# KiCad board DoubleProto.kicad_pcb
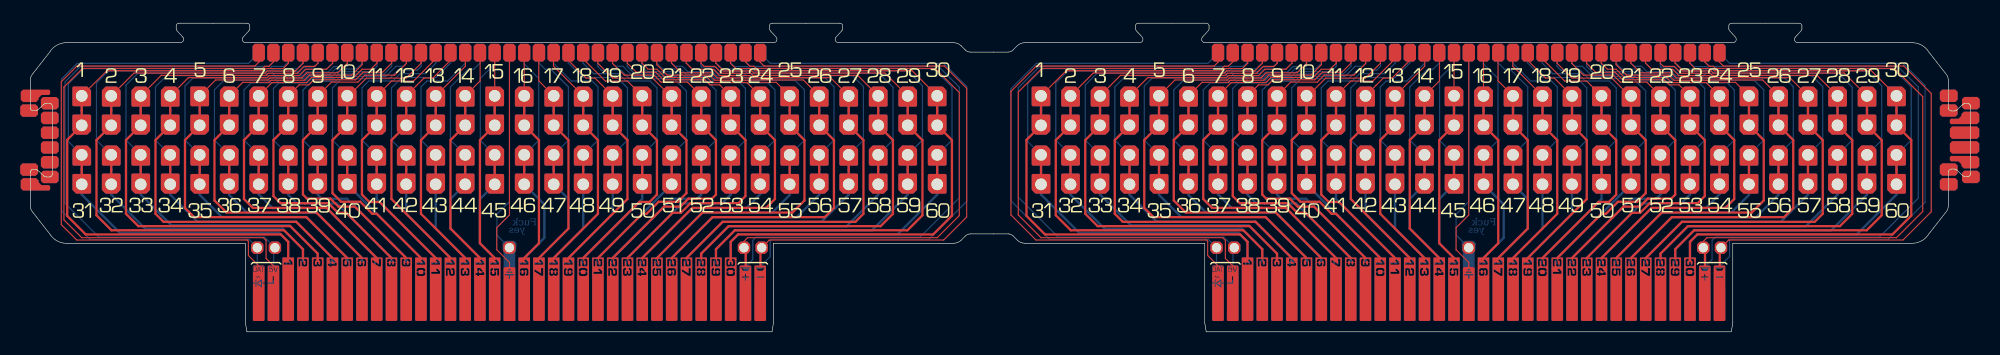
[diagram p0: board, top side]
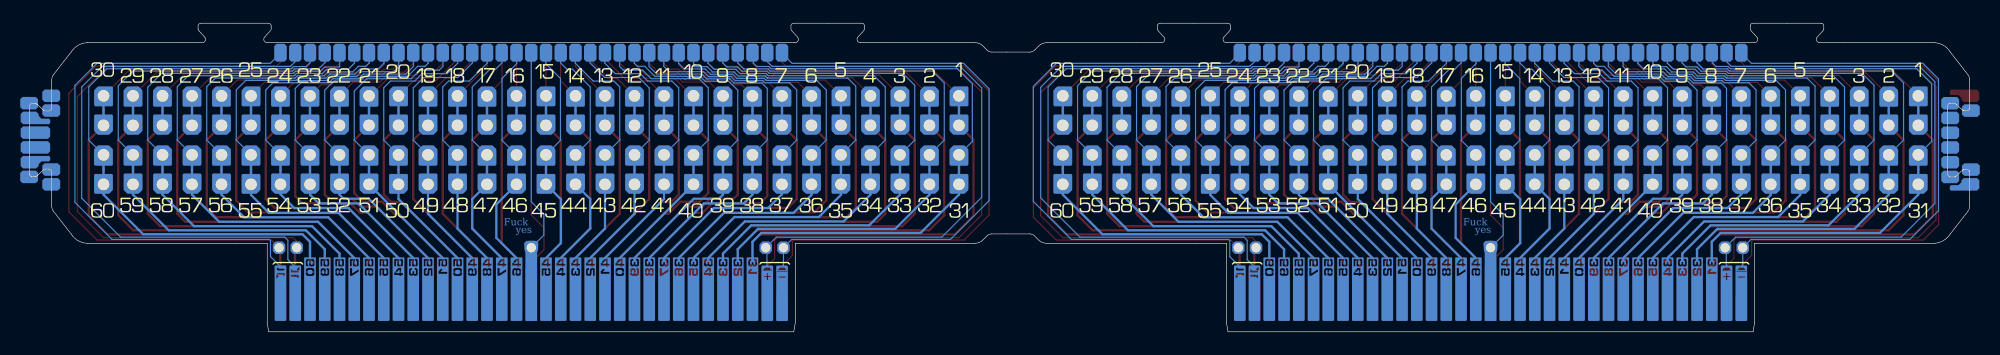
[diagram p1: board, bottom side, seen from below]

Outline 167.05 x 26.57 mm; copper layers: Top, Bottom. Coordinates in mm from the lower left corner of the outline.
Outline path: 0,21.59 0,21.74 arc(0.06,21.96) 0.17,22.16 1.68,24.09 arc(2.26,24.66) 3.05,24.89 10.78,24.89 ; 0,11.43 0,10.78 arc(0.05,10.55) 0.17,10.35 1.68,8.42 ; 1.68,8.42 arc(2.26,7.85) 3.05,7.62 15.86,7.62 ; 66.66,7.62 79.48,7.62 ; 71.74,24.89 79.48,24.89 arc(79.84,24.82) 80.15,24.62 80.51,24.26 arc(80.7,24.13) 80.93,24.08 84.2,24.08 arc(84.42,24.13) 84.62,24.26 84.97,24.62 arc(85.28,24.82) 85.65,24.89 ; 79.48,7.62 arc(79.85,7.69) 80.16,7.89 80.52,8.25 arc(80.71,8.38) 80.94,8.43 84.2,8.43 arc(84.43,8.38) 84.62,8.25 84.98,7.89 arc(85.29,7.69) 85.66,7.62 ; 93.38,24.89 85.65,24.89 ; 98.46,7.62 85.65,7.62 ; 149.26,7.62 162.1,7.62 arc(162.89,7.85) 163.47,8.42 164.98,10.35 arc(165.09,10.55) 165.15,10.78 165.15,11.43 ; 154.34,24.89 162.1,24.89 arc(162.89,24.66) 163.47,24.09 164.98,22.16 arc(165.1,21.94) 165.15,21.68 165.15,21.59

## Placement (name value [footprint] x y rotation side)
J1  Conn_01x01  [PinHeader_1x1_Smallest]  144.05 7.24 0 top
J1#2  Conn_02x35_Top_Bottom  [HEE70LP03BK_NumberedPads_CardGuide]  41.26 -10.67 0 top
J1#3  Conn_02x35_Top_Bottom  [HEE70LP03BK_NumberedPads_CardGuide]  123.86 -10.67 0 top
J1#4  Conn_01x01  [PinHeader_1x1_Smallest]  61.45 7.24 0 top
J2  Conn_01x01  [PinHeader_1x1_Smallest]  62.97 7.24 0 top
J2#2  Conn_01x01  [PinHeader_1x1_Smallest]  145.58 7.24 0 top
J3  Conn_01x01  [PinHeader_1x1_Smallest]  21.06 7.24 0 top
J3#2  Conn_01x01  [PinHeader_1x1_Smallest]  103.67 7.24 0 top
J4  Conn_01x01  [PinHeader_1x1_Smallest]  102.14 7.24 0 top
J4#2  Conn_01x01  [PinHeader_1x1_Smallest]  19.54 7.24 0 top
J5  Conn_01x01  [PinHeader_1x1_Smallest]  41.26 7.24 0 top
J5#2  Conn_01x01  [PinHeader_1x1_Smallest]  123.86 7.24 0 top
J6  Conn_02x35_Top_Bottom  [SideConnect_sparserrr_Bottom_drawing]  76.69 -66.67 0 top
J6#2  Conn_02x35_Top_Bottom  [SideConnect_sparserrr_Bottom_drawing]  159.29 -66.67 0 top
J12  Conn_02x03_Top_Bottom  [SideConnect_short_right_Drawing]  82.53 -8.99 0 top
J12#2  Conn_02x03_Top_Bottom  [SideConnect_short_right_Drawing]  165.13 -8.99 0 top
J13  Conn_02x03_Top_Bottom  [SideConnect_short_left_Drawing]  -0.02 -8.89 0 top
J13#2  Conn_02x03_Top_Bottom  [SideConnect_short_left_Drawing]  82.58 -8.89 0 top
REF**  -  [SideConnect_sparserrr_right_1_Drawing]  82.57 -54.22 0 top
REF**#2  -  [SideConnect_sparserrr_left_1_Drawing]  165.12 -54.22 0 top
REF**#3  -  [SideConnect_sparserrr_left_1_Drawing]  82.52 -54.22 0 top
REF**#4  -  [SideConnect_Single_right]  165.15 11.43 0 top
REF**#5  -  [SideConnect_Single_left]  0 11.43 0 top
REF**#6  -  [SideConnect_sparserrr_right_1_Drawing]  -0.03 -54.22 0 top
U1  ~  [HEE70LP03BK_CardSide]  149.26 0 0 top
U1#2  ~  [HEE70LP03BK_CardSide]  66.66 0 0 top
U2  ~  [Conn_2x30_breadboard_double]  41.26 16.51 0 top
U2#2  ~  [Conn_2x30_breadboard_double]  123.86 16.51 0 top
U3  ~  [SideConnect_sparserrr_Top]  71.74 24.89 0 top
U3#2  ~  [SideConnect_sparserrr_Top]  154.34 24.89 0 top

## Library data of the parts
J1 J1#4 J2 J2#2 J3 J3#2 J4 J4#2 J5 J5#2 = -: Description: Generic connector, single row, 01x01, script generated (kicad-library-utils/schlib/autogen/connector/)

## Footprints (pads in the part's own frame, mm; a bottom-side part is the same pattern mirrored in y, then rotated)
Conn_2x30_breadboard_double
  custom 1.617x2.181 hole 1: 1(-36.83,3.805) 1(-36.83,1.265) 2(-34.29,3.805) 2(-34.29,1.265) 3(-31.75,3.805) 3(-31.75,1.265) 4(-29.21,3.805) 4(-29.21,1.265) 5(-26.67,3.805) 5(-26.67,1.265) 6(-24.13,3.805) 6(-24.13,1.265) 7(-21.59,3.805) 7(-21.59,1.265) 8(-19.05,3.805) 8(-19.05,1.265) 9(-16.51,3.805) 9(-16.51,1.265) 10(-13.97,3.805) 10(-13.97,1.265) 11(-11.43,3.805) 11(-11.43,1.265) 12(-8.89,3.805) 12(-8.89,1.265) 13(-6.35,3.805) 13(-6.35,1.265) 14(-3.81,3.805) 14(-3.81,1.265) 15(-1.27,3.805) 15(-1.27,1.265) 16(1.27,3.805) 16(1.27,1.265) 17(3.81,3.805) 17(3.81,1.265) 18(6.35,3.805) 18(6.35,1.265) 19(8.89,3.805) 19(8.89,1.265) 20(11.43,3.805) 20(11.43,1.265) 21(13.97,3.805) 21(13.97,1.265) 22(16.51,3.805) 22(16.51,1.265) 23(19.05,3.805) 23(19.05,1.265) 24(21.59,3.805) 24(21.59,1.265) 25(24.13,3.805) 25(24.13,1.265) 26(26.67,3.805) 26(26.67,1.265) 27(29.21,3.805) 27(29.21,1.265) 28(31.75,3.805) 28(31.75,1.265) 29(34.29,3.805) 29(34.29,1.265) 30(36.83,3.805) 30(36.83,1.265) 31(-36.83,-1.275) 31(-36.83,-3.815) 32(-34.29,-1.275) 32(-34.29,-3.815) 33(-31.75,-1.275) 33(-31.75,-3.815) 34(-29.21,-1.275) 34(-29.21,-3.815) 35(-26.67,-1.275) 35(-26.67,-3.815) 36(-24.13,-1.275) 36(-24.13,-3.815) 37(-21.59,-1.275) 37(-21.59,-3.815) 38(-19.05,-1.275) 38(-19.05,-3.815) 39(-16.51,-1.275) 39(-16.51,-3.815) 40(-13.97,-1.275) 40(-13.97,-3.815) 41(-11.43,-1.275) 41(-11.43,-3.815) 42(-8.89,-1.275) 42(-8.89,-3.815) 43(-6.35,-1.275) 43(-6.35,-3.815) 44(-3.81,-1.275) 44(-3.81,-3.815) 45(-1.27,-1.275) 45(-1.27,-3.815) 46(1.27,-1.275) 46(1.27,-3.815) 47(3.81,-1.275) 47(3.81,-3.815) 48(6.35,-1.275) 48(6.35,-3.815) 49(8.89,-1.275) 49(8.89,-3.815) 50(11.43,-1.275) 50(11.43,-3.815) 51(13.97,-1.275) 51(13.97,-3.815) 52(16.51,-1.275) 52(16.51,-3.815) 53(19.05,-1.275) 53(19.05,-3.815) 54(21.59,-1.275) 54(21.59,-3.815) 55(24.13,-1.275) 55(24.13,-3.815) 56(26.67,-1.275) 56(26.67,-3.815) 57(29.21,-1.275) 57(29.21,-3.815) 58(31.75,-1.275) 58(31.75,-3.815) 59(34.29,-1.275) 59(34.29,-3.815) 60(36.83,-1.275) 60(36.83,-3.815)
HEE70LP03BK_CardSide
  custom 1x5.467 smd: 1(-44.45,6.35) 2(-43.18,6.35) 3(-41.91,6.35) 4(-40.64,6.35) 5(-39.37,6.35) 6(-38.1,6.35) 7(-36.83,6.35) 8(-35.56,6.35) 9(-34.29,6.35) 10(-33.02,6.35) 11(-31.75,6.35) 12(-30.48,6.35) 13(-29.21,6.35) 14(-27.94,6.35) 15(-26.67,6.35) 16(-24.13,6.35) 17(-22.86,6.35) 18(-21.59,6.35) 19(-20.32,6.35) 20(-19.05,6.35) 21(-17.78,6.35) 22(-16.51,6.35) 23(-15.24,6.35) 24(-13.97,6.35) 25(-12.7,6.35) 26(-11.43,6.35) 27(-10.16,6.35) 28(-8.89,6.35) 29(-7.62,6.35) 30(-6.35,6.35)
  custom 1x5.467 smd far side: 31(-44.45,6.35) 32(-43.18,6.35) 33(-41.91,6.35) 34(-40.64,6.35) 35(-39.37,6.35) 36(-38.1,6.35) 37(-36.83,6.35) 38(-35.56,6.35) 39(-34.29,6.35) 40(-33.02,6.35) 41(-31.75,6.35) 42(-30.48,6.35) 43(-29.21,6.35) 44(-27.94,6.35) 45(-26.67,6.35) 46(-24.13,6.35) 47(-22.86,6.35) 48(-21.59,6.35) 49(-20.32,6.35) 50(-19.05,6.35) 51(-17.78,6.35) 52(-16.51,6.35) 53(-15.24,6.35) 54(-13.97,6.35) 55(-12.7,6.35) 56(-11.43,6.35) 57(-10.16,6.35) 58(-8.89,6.35) 59(-7.62,6.35) 60(-6.35,6.35)
  custom 1.01x4.779 smd: 61(-5.06,5.657) 62(-3.79,5.657)
  custom 1.01x4.779 smd far side: 63(-45.745,5.656) 64(-47.015,5.606)
  custom 1.218x6.921 smd far side: 65(-25.4,7.696)
  custom 1x4.774 smd far side: 66(-5.055,5.607) 67(-3.795,5.627)
  custom 1.014x4.657 smd: 68(-25.4,5.461)
  custom 1.001x4.774 smd: 69(-46.97,5.657)
  custom 1.01x4.78 smd: 70(-45.7,5.657)
PinHeader_1x1_Smallest
  custom 1.07x1.07 hole 0.8: 1(0,0)
SideConnect_Single_left
  custom 1.534x1.071 smd: 6(-0.127,7.62) 6(-0.127,2.54) 6(1.702,8.255) 6(1.702,6.985) 6(1.702,5.715) 6(1.702,4.445) 6(1.702,3.175) 6(1.702,1.905)
  custom 1.534x1.071 smd far side: 6(-0.127,7.62) 6(-0.127,2.54) 6(1.702,8.255) 6(1.702,6.985) 6(1.702,5.715) 6(1.702,4.445) 6(1.702,3.175) 6(1.702,1.905)
  custom 2.539x1.071 smd: 6(-0.035,8.89) 6(-0.035,1.27)
  custom 2.539x1.071 smd far side: 6(-0.035,1.27)
SideConnect_Single_right
  custom 1.534x1.071 smd: 6(0.066,8.89) 6(0.066,7.62) 6(0.066,2.54) 6(0.066,1.27) 6(1.971,8.255) 6(1.971,1.905)
  custom 1.534x1.071 smd far side: 6(0.066,8.89) 6(0.066,7.62) 6(0.066,2.54) 6(0.066,1.27) 6(1.971,8.255) 6(1.971,1.905)
  custom 2.539x1.071 smd: 6(1.879,6.985) 6(1.879,3.175)
  custom 2.539x1.071 smd far side: 6(1.879,6.985) 6(1.879,3.175)
  custom 2.534x1.071 smd: 6(1.879,5.715) 6(1.879,4.445)
  custom 2.534x1.071 smd far side: 6(1.879,5.715) 6(1.879,4.445)
SideConnect_sparserrr_Top
  custom 1.071x1.534 smd: 1(-49.53,-0.889) 2(-48.26,-0.889) 3(-46.99,-0.889) 4(-45.72,-0.889) 5(-44.45,-0.889) 6(-43.18,-0.889) 7(-41.91,-0.889) 8(-40.64,-0.889) 9(-39.37,-0.889) 10(-38.1,-0.889) 11(-36.83,-0.889) 12(-35.56,-0.889) 13(-34.29,-0.889) 14(-33.02,-0.889) 15(-31.75,-0.889) 16(-29.21,-0.889) 17(-27.94,-0.889) 18(-26.67,-0.889) 19(-25.4,-0.889) 20(-24.13,-0.889) 21(-22.86,-0.889) 22(-21.59,-0.889) 23(-20.32,-0.889) 24(-19.05,-0.889) 25(-17.78,-0.889) 26(-16.51,-0.889) 27(-15.24,-0.889) 28(-13.97,-0.889) 29(-12.7,-0.889) 30(-11.43,-0.889) 61(-10.16,-0.889) 62(-8.89,-0.889) 68(-30.48,-0.889) 69(-52.07,-0.889) 70(-50.8,-0.889)
  custom 1.071x1.534 smd far side: 31(-49.53,-0.889) 32(-48.26,-0.889) 33(-46.99,-0.889) 34(-45.72,-0.889) 35(-44.45,-0.889) 36(-43.18,-0.889) 37(-41.91,-0.889) 38(-40.64,-0.889) 39(-39.37,-0.889) 40(-38.1,-0.889) 41(-36.83,-0.889) 42(-35.56,-0.889) 43(-34.29,-0.889) 44(-33.02,-0.889) 45(-31.75,-0.889) 46(-29.21,-0.889) 47(-27.94,-0.889) 48(-26.67,-0.889) 49(-25.4,-0.889) 50(-24.13,-0.889) 51(-22.86,-0.889) 52(-21.59,-0.889) 53(-20.32,-0.889) 54(-19.05,-0.889) 55(-17.78,-0.889) 56(-16.51,-0.889) 57(-15.24,-0.889) 58(-13.97,-0.889) 59(-12.7,-0.889) 60(-11.43,-0.889) 63(-50.8,-0.889) 64(-52.07,-0.889) 65(-30.48,-0.889) 66(-10.16,-0.889) 67(-8.89,-0.889)

## Nets
Net-(J1-Pin_1): J1.1 J1#4.1 U1.61 U1#2.61 U3.61 U3#2.61
Net-(J2-Pin_1): J2.1 J2#2.1 U1.62 U1#2.62 U3.62 U3#2.62
Net-(J3-Pin_1): J3.1 J3#2.1 U1.63 U1#2.63 U3.63 U3#2.63
Net-(J4-Pin_1): J4.1 J4#2.1 U1.64 U1#2.64 U3.64 U3#2.64
Net-(J5-Pin_1): J5.1 J5#2.1 U1.65 U1#2.65 U3.65 U3#2.65
Net-(J6-Pin_1): U1.66 U1#2.66 U3.66 U3#2.66
Net-(J7-Pin_1): U1.67 U1#2.67 U3.67 U3#2.67
Net-(J8-Pin_1): U1.68 U1#2.68 U3.68 U3#2.68
Net-(J9-Pin_1): U1.69 U1#2.69 U3.69 U3#2.69
Net-(J10-Pin_1): U1.70 U1#2.70 U3.70 U3#2.70
Net-(U1A-Pin_0): U1.32 U1#2.32 U2.32 U2#2.32 U3.32 U3#2.32
Net-(U1A-Pin_1-Pad1): U1.1 U1#2.1 U2.1 U2#2.1 U3.1 U3#2.1
Net-(U1A-Pin_1-Pad33): U1.33 U1#2.33 U2.33 U2#2.33 U3.33 U3#2.33
Net-(U1A-Pin_2-Pad2): U1.2 U1#2.2 U2.2 U2#2.2 U3.2 U3#2.2
Net-(U1A-Pin_2-Pad34): U1.34 U1#2.34 U2.34 U2#2.34 U3.34 U3#2.34
Net-(U1A-Pin_3-Pad3): U1.3 U1#2.3 U2.3 U2#2.3 U3.3 U3#2.3
Net-(U1A-Pin_3-Pad35): U1.35 U1#2.35 U2.35 U2#2.35 U3.35 U3#2.35
Net-(U1A-Pin_4-Pad4): U1.4 U1#2.4 U2.4 U2#2.4 U3.4 U3#2.4
Net-(U1A-Pin_4-Pad36): U1.36 U1#2.36 U2.36 U2#2.36 U3.36 U3#2.36
Net-(U1A-Pin_5-Pad5): U1.5 U1#2.5 U2.5 U2#2.5 U3.5 U3#2.5
Net-(U1A-Pin_5-Pad37): U1.37 U1#2.37 U2.37 U2#2.37 U3.37 U3#2.37
Net-(U1A-Pin_6-Pad6): U1.6 U1#2.6 U2.6 U2#2.6 U3.6 U3#2.6
Net-(U1A-Pin_6-Pad38): U1.38 U1#2.38 U2.38 U2#2.38 U3.38 U3#2.38
Net-(U1A-Pin_7-Pad7): U1.7 U1#2.7 U2.7 U2#2.7 U3.7 U3#2.7
Net-(U1A-Pin_7-Pad39): U1.39 U1#2.39 U2.39 U2#2.39 U3.39 U3#2.39
Net-(U1A-Pin_8-Pad8): U1.8 U1#2.8 U2.8 U2#2.8 U3.8 U3#2.8
Net-(U1A-Pin_8-Pad40): U1.40 U1#2.40 U2.40 U2#2.40 U3.40 U3#2.40
Net-(U1A-Pin_9-Pad9): U1.9 U1#2.9 U2.9 U2#2.9 U3.9 U3#2.9
Net-(U1A-Pin_9-Pad41): U1.41 U1#2.41 U2.41 U2#2.41 U3.41 U3#2.41
Net-(U1A-Pin_10-Pad10): U1.10 U1#2.10 U2.10 U2#2.10 U3.10 U3#2.10
Net-(U1A-Pin_10-Pad42): U1.42 U1#2.42 U2.42 U2#2.42 U3.42 U3#2.42
Net-(U1A-Pin_11-Pad11): U1.11 U1#2.11 U2.11 U2#2.11 U3.11 U3#2.11
Net-(U1A-Pin_11-Pad43): U1.43 U1#2.43 U2.43 U2#2.43 U3.43 U3#2.43
Net-(U1A-Pin_12-Pad12): U1.12 U1#2.12 U2.12 U2#2.12 U3.12 U3#2.12
Net-(U1A-Pin_12-Pad44): U1.44 U1#2.44 U2.44 U2#2.44 U3.44 U3#2.44
Net-(U1A-Pin_13-Pad13): U1.13 U1#2.13 U2.13 U2#2.13 U3.13 U3#2.13
Net-(U1A-Pin_13-Pad45): U1.45 U1#2.45 U2.45 U2#2.45 U3.45 U3#2.45
Net-(U1A-Pin_14-Pad14): U1.14 U1#2.14 U2.14 U2#2.14 U3.14 U3#2.14
Net-(U1A-Pin_14-Pad46): U1.46 U1#2.46 U2.46 U2#2.46 U3.46 U3#2.46
Net-(U1A-Pin_15-Pad15): U1.15 U1#2.15 U2.15 U2#2.15 U3.15 U3#2.15
Net-(U1A-Pin_15-Pad47): U1.47 U1#2.47 U2.47 U2#2.47 U3.47 U3#2.47
Net-(U1A-Pin_16-Pad16): U1.16 U1#2.16 U2.16 U2#2.16 U3.16 U3#2.16
Net-(U1A-Pin_16-Pad48): U1.48 U1#2.48 U2.48 U2#2.48 U3.48 U3#2.48
Net-(U1A-Pin_17-Pad17): U1.17 U1#2.17 U2.17 U2#2.17 U3.17 U3#2.17
Net-(U1A-Pin_17-Pad49): U1.49 U1#2.49 U2.49 U2#2.49 U3.49 U3#2.49
Net-(U1A-Pin_18-Pad18): U1.18 U1#2.18 U2.18 U2#2.18 U3.18 U3#2.18
Net-(U1A-Pin_18-Pad50): U1.50 U1#2.50 U2.50 U2#2.50 U3.50 U3#2.50
Net-(U1A-Pin_19-Pad19): U1.19 U1#2.19 U2.19 U2#2.19 U3.19 U3#2.19
Net-(U1A-Pin_19-Pad51): U1.51 U1#2.51 U2.51 U2#2.51 U3.51 U3#2.51
Net-(U1A-Pin_20-Pad20): U1.20 U1#2.20 U2.20 U2#2.20 U3.20 U3#2.20
Net-(U1A-Pin_20-Pad52): U1.52 U1#2.52 U2.52 U2#2.52 U3.52 U3#2.52
Net-(U1A-Pin_21-Pad21): U1.21 U1#2.21 U2.21 U2#2.21 U3.21 U3#2.21
Net-(U1A-Pin_21-Pad53): U1.53 U1#2.53 U2.53 U2#2.53 U3.53 U3#2.53
Net-(U1A-Pin_22-Pad22): U1.22 U1#2.22 U2.22 U2#2.22 U3.22 U3#2.22
Net-(U1A-Pin_22-Pad54): U1.54 U1#2.54 U2.54 U2#2.54 U3.54 U3#2.54
Net-(U1A-Pin_23-Pad23): U1.23 U1#2.23 U2.23 U2#2.23 U3.23 U3#2.23
Net-(U1A-Pin_23-Pad55): U1.55 U1#2.55 U2.55 U2#2.55 U3.55 U3#2.55
Net-(U1A-Pin_24-Pad24): U1.24 U1#2.24 U2.24 U2#2.24 U3.24 U3#2.24
Net-(U1A-Pin_24-Pad56): U1.56 U1#2.56 U2.56 U2#2.56 U3.56 U3#2.56
Net-(U1A-Pin_25-Pad25): U1.25 U1#2.25 U2.25 U2#2.25 U3.25 U3#2.25
Net-(U1A-Pin_25-Pad57): U1.57 U1#2.57 U2.57 U2#2.57 U3.57 U3#2.57
Net-(U1A-Pin_26-Pad26): U1.26 U1#2.26 U2.26 U2#2.26 U3.26 U3#2.26
Net-(U1A-Pin_26-Pad58): U1.58 U1#2.58 U2.58 U2#2.58 U3.58 U3#2.58
Net-(U1A-Pin_27-Pad27): U1.27 U1#2.27 U2.27 U2#2.27 U3.27 U3#2.27
Net-(U1A-Pin_27-Pad59): U1.59 U1#2.59 U2.59 U2#2.59 U3.59 U3#2.59
Net-(U1A-Pin_28-Pad28): U1.28 U1#2.28 U2.28 U2#2.28 U3.28 U3#2.28
Net-(U1A-Pin_28-Pad60): U1.60 U1#2.60 U2.60 U2#2.60 U3.60 U3#2.60
Net-(U1A-Pin_29): U1.29 U1#2.29 U2.29 U2#2.29 U3.29 U3#2.29
Net-(U1A-Pin_30): U1.30 U1#2.30 U2.30 U2#2.30 U3.30 U3#2.30
Net-(U1A-Pin_31): U1.31 U1#2.31 U2.31 U2#2.31 U3.31 U3#2.31

Pads without a net: REF**#4 6; REF**#5 6

## Routing (per net, layer and track width the routed paths; a pad name or vN(x,y) marks a point on that pad's centre or on a via; arc(x,y) is an arc through that point)
Net-(J1-Pin_1): length 105.3
  Top w0.1: 61.58,23.99 61.58,23.24 61.96,22.86 62.31,22.86 62.49,22.68 77.91,22.68 79.99,20.6 79.99,10.01 78.08,8.1 61.77,8.1 61.45,7.78 J1#4.1 ; 144.18,23.99 144.18,23.24 144.56,22.86 144.91,22.86 145.09,22.68 160.51,22.68 162.95,20.24 162.95,10.36 160.68,8.1 144.37,8.1 144.05,7.78 J1.1
  Top w0.2: U1.61 144.2,7.09 J1.1 ; J1#4.1 61.6,7.09 U1#2.61
Net-(J2-Pin_1): length 102.3
  Top w0.1: J2#2.1 146.24,7.9 161.24,7.9 163.68,10.33 163.68,20.52 161.31,22.89 145.78,22.89 145.43,23.23 145.43,24 ; 62.83,24 62.83,23.23 63.18,22.89 78.71,22.89 80.63,20.97 80.63,9.88 78.64,7.9 63.63,7.9 J2.1
  Top w0.2: J2.1 62.87,7.13 U1#2.62 ; U1.62 145.47,7.13 J2#2.1
Net-(J3-Pin_1): length 103.2
  Top w0.2: 103.52,7.09 J3#2.1 ; 20.92,7.09 J3.1
  Bottom w0.1: U1#2.63 20.96,5.71 20.96,7.14 J3.1 20.15,8.15 5.9,8.15 3,11.06 3,21.53 4.32,22.85 20.52,22.85 20.95,23.29 20.95,23.97 20.92,24 ; U1.63 103.56,5.71 103.56,7.14 J3#2.1 102.75,8.15 88.5,8.15 85.07,11.58 85.07,21.01 86.92,22.85 103.12,22.85 103.56,23.29 103.56,23.97 103.52,24
Net-(J4-Pin_1): length 99.2
  Top w0.2: 102.25,7.13 J4.1 ; 19.65,7.13 J4#2.1
  Bottom w0.1: U1#2.64 19.54,5.71 J4#2.1 18.83,7.95 5.16,7.95 2.69,10.42 2.69,21.78 4.03,23.11 18.8,23.11 19.68,24 ; 102.29,24 101.4,23.11 86.63,23.11 84.44,20.92 84.44,11.28 87.76,7.95 101.43,7.95 J4.1 102.14,5.71 U1.64
Net-(J5-Pin_1): length 35.3
  Bottom w0.1: 41.24,24 41.26,23.99 41.26,11.2 40.17,10.12 40.17,8.32 J5.1 ; J5#2.1 122.77,8.32 122.77,10.12 123.86,11.2 123.86,23.99 123.84,24
Net-(J6-Pin_1): length 102.8
  Bottom w0.1: 61.56,24 61.56,23.29 61.99,22.85 78.2,22.85 79.99,21.06 79.99,11.53 76.61,8.15 62.49,8.15 62.21,7.87 62.21,6.22 U1#2.66 ; 144.16,24 144.16,23.29 144.59,22.85 160.8,22.85 162.57,21.08 162.57,11.51 159.21,8.15 145.09,8.15 144.81,7.87 144.81,6.22 U1.66
Net-(J7-Pin_1): length 99.5
  Bottom w0.1: U1.67 146.31,6.48 146.31,7.85 146.41,7.95 159.95,7.95 163.15,11.15 163.15,21.21 161.25,23.11 146.32,23.11 145.43,24 ; U1#2.67 63.71,6.48 63.71,7.85 63.81,7.95 77.35,7.95 80.63,11.23 80.63,21.13 78.65,23.11 63.72,23.11 62.83,24
Net-(J8-Pin_1): length 38.9
  Top w0.1: U1.68 123.86,5.97 122.77,7.06 122.77,8.96 123.86,10.05 123.86,23.99 123.84,24 ; 41.24,24 41.26,23.99 41.26,10.05 40.17,8.96 40.17,7.06 41.26,5.97 U1#2.68
Net-(J9-Pin_1): length 100.7
  Top w0.1: 19.68,24 19.68,23.23 19.34,22.89 4.02,22.89 2.67,21.53 2.67,9.23 4,7.9 18.68,7.9 18.78,7.8 18.78,6.57 U1#2.69 ; 102.29,24 102.29,23.23 101.94,22.89 86.62,22.89 84.44,20.7 84.44,10.06 86.6,7.9 101.28,7.9 101.38,7.8 101.38,6.57 U1.69
Net-(J10-Pin_1): length 103.8
  Top w0.1: 20.94,23.99 20.94,23.24 20.56,22.86 20.2,22.86 20.02,22.68 4.5,22.68 2.9,21.07 2.9,9.63 4.43,8.1 20.08,8.1 20.3,7.87 20.3,6.31 U1#2.70 ; 103.54,23.99 103.54,23.24 103.16,22.86 102.8,22.86 102.62,22.68 87.1,22.68 85.07,20.65 85.07,10.06 87.03,8.1 102.68,8.1 102.9,7.87 102.9,6.31 U1.70
Net-(U1A-Pin_0): length 92.4
  Bottom w0.1: U2#2.32 88.3,16.5 88.3,21.44 89.31,22.45 94.7,22.45 94.89,22.45 103.28,22.45 103.47,22.63 105.55,22.63 106.1,23.18 106.1,24 ; U2.32 5.7,16.51 5.7,21.44 6.71,22.45 12.1,22.45 12.28,22.45 20.68,22.45 20.87,22.63 22.95,22.63 23.49,23.18 23.49,24
  Bottom w0.2: U1#2.32 23.48,7.11 21.73,8.86 9.92,8.86 6.97,11.81 6.97,12.71 ; 89.57,12.7 89.57,11.81 92.52,8.86 104.33,8.86 106.08,7.11 U1.32
Net-(U1A-Pin_1-Pad1): length 99
  Top w0.1: 104.83,24 104.83,23.12 104.37,22.66 102.89,22.66 102.71,22.48 89.2,22.48 U2#2.1 ; 22.22,24 22.22,23.12 21.76,22.66 20.29,22.66 20.11,22.48 6.59,22.48 4.43,20.32
  Top w0.2: U1.1 104.81,7.75 104.17,8.38 87.38,8.38 85.78,9.98 85.78,16.52 U2#2.1 ; U1#2.1 22.21,7.75 21.57,8.38 4.77,8.38 3.18,9.98 3.18,16.52 4.43,17.78
Net-(U1A-Pin_1-Pad33): length 86.6
  Bottom w0.1: 24.76,24 24.76,23.16 24.41,22.8 23.47,22.8 23.1,22.43 20.95,22.43 20.76,22.25 12.37,22.25 9.25,22.25 8.24,21.23 8.24,16.51 U2.33 ; U2#2.33 90.84,16.5 90.84,21.23 91.85,22.25 103.37,22.25 103.55,22.43 105.7,22.43 106.07,22.8 107.01,22.8 107.37,23.16 107.37,24
  Bottom w0.2: U1#2.33 24.75,6.73 22.31,9.17 12.15,9.17 9.51,11.81 9.51,12.7 ; U1.33 107.35,6.73 104.91,9.17 94.75,9.17 92.11,11.81 92.11,12.7
Net-(U1A-Pin_2-Pad2): length 93.1
  Top w0.1: 106.1,24 106.1,23.13 105.82,22.86 ; 23.49,24 23.49,23.13 23.22,22.86 ; U2#2.2 91.54,22.28 102.82,22.28 103,22.46 104.45,22.46 104.45,22.46 105.43,22.46 105.81,22.85 ; 23.21,22.85 22.83,22.46 21.85,22.46 21.85,22.46 20.4,22.46 20.22,22.28 8.93,22.28 6.97,20.32
  Top w0.2: 89.57,17.77 88.3,16.5 88.3,10.03 89.59,8.74 104.45,8.74 106.08,7.11 U1.2 ; 6.97,17.77 5.7,16.5 5.7,10.03 6.99,8.74 21.85,8.74 23.48,7.11 U1#2.2
Net-(U1A-Pin_2-Pad34): length 80.9
  Bottom w0.1: 108.64,24 108.64,23.13 108.11,22.6 106.23,22.6 105.86,22.23 103.64,22.23 103.45,22.05 94.34,22.05 93.38,21.08 93.38,16.5 U2#2.34 ; 26.03,24 26.03,23.13 25.51,22.6 23.63,22.6 23.26,22.23 21.03,22.23 20.85,22.05 11.74,22.05 10.78,21.08 10.78,16.51 U2.34
  Bottom w0.2: U1.34 105.47,9.5 96.96,9.5 94.65,11.81 94.65,12.7 ; 12.05,12.7 12.05,11.81 14.36,9.5 22.87,9.5 U1#2.34
Net-(U1A-Pin_3-Pad3): length 87.5
  Top w0.1: 107.37,24 107.37,23.12 107.09,22.85 106.18,22.85 105.59,22.26 104.53,22.26 104.53,22.26 103.08,22.26 102.9,22.08 93.88,22.08 U2#2.3 ; 24.76,24 24.76,23.12 24.49,22.85 23.58,22.85 22.99,22.26 21.93,22.26 21.93,22.26 20.48,22.26 20.3,22.08 11.27,22.08 9.51,20.32
  Top w0.2: 9.51,17.78 8.24,16.51 8.24,10.16 9.3,9.09 22.39,9.09 24.75,6.73 U1#2.3 ; U2#2.3 90.84,16.5 90.84,10.16 91.9,9.09 104.99,9.09 107.35,6.73 U1.3
Net-(U1A-Pin_3-Pad35): length 76.2
  Bottom w0.1: U2.35 13.32,16.51 13.32,21.16 14,21.84 20.91,21.84 20.92,21.85 20.93,21.85 21.1,22.02 23.43,22.02 23.78,22.38 25.66,22.38 26.11,22.83 27.25,22.83 27.27,22.85 27.27,24 ; 109.87,24 109.87,22.85 109.85,22.83 108.71,22.83 108.26,22.38 106.38,22.38 106.03,22.02 103.71,22.02 103.54,21.85 103.52,21.85 103.51,21.84 96.6,21.84 95.92,21.16 95.92,16.5 U2#2.35
  Bottom w0.2: U1#2.35 23.76,9.88 16.49,9.88 14.59,11.79 U2.35 ; U2#2.35 97.19,11.79 99.09,9.88 106.36,9.88 U1.35
Net-(U1A-Pin_4-Pad4): length 82
  Top w0.1: 12.05,20.32 13.61,21.88 20.39,21.88 20.57,22.06 22.01,22.06 22.01,22.06 23.17,22.06 23.72,22.61 25.51,22.61 26.03,23.13 26.03,24 ; U2#2.4 96.22,21.88 102.99,21.88 103.17,22.06 104.61,22.06 104.61,22.06 105.78,22.06 106.32,22.61 108.11,22.61 108.64,23.13 108.64,24
  Top w0.2: 12.05,17.78 10.78,16.51 10.78,10.16 11.47,9.47 22.9,9.47 U1#2.4 ; U2#2.4 93.38,16.5 93.38,10.16 94.07,9.47 105.5,9.47 U1.4
Net-(U1A-Pin_4-Pad36): length 70.5
  Bottom w0.1: 28.57,24 28.57,23.13 28.07,22.63 26.27,22.63 25.82,22.18 23.91,22.18 23.56,21.82 21.2,21.82 21.02,21.64 20.99,21.64 16.67,21.64 15.86,20.83 15.86,16.51 U2.36 ; 111.18,24 111.18,23.13 110.68,22.63 108.87,22.63 108.42,22.18 106.51,22.18 106.16,21.82 103.8,21.82 103.62,21.64 103.6,21.64 99.27,21.64 98.46,20.83 98.46,16.5 U2#2.36
  Bottom w0.2: U1#2.36 24.67,10.24 18.67,10.24 17.13,11.78 17.13,12.7 ; 99.73,12.7 99.73,11.78 101.27,10.24 107.27,10.24 U1.36
Net-(U1A-Pin_5-Pad5): length 76.3
  Top w0.1: 14.59,20.32 15.95,21.68 20.47,21.68 20.65,21.86 22.1,21.86 22.1,21.86 23.38,21.86 23.82,22.3 26.47,22.3 27.3,23.13 27.3,24 ; 109.91,24 109.91,23.13 109.07,22.3 106.42,22.3 105.99,21.86 104.7,21.86 104.7,21.86 103.25,21.86 103.07,21.68 98.56,21.68 U2#2.5
  Top w0.2: U1#2.5 23.77,9.87 14.12,9.87 13.32,10.67 13.32,16.51 14.59,17.78 ; U1.5 106.37,9.87 96.72,9.87 95.92,10.67 95.92,16.51 97.19,17.78
Net-(U1A-Pin_5-Pad37): length 65.7
  Bottom w0.1: U2#2.37 101,16.5 101,20.83 101.61,21.44 103.74,21.44 103.92,21.62 106.31,21.62 106.67,21.98 108.6,21.98 109.01,22.39 111.98,22.39 112.45,22.85 112.45,24 ; U2.37 18.4,16.51 18.4,20.83 19.01,21.44 21.14,21.44 21.32,21.62 23.71,21.62 24.06,21.98 26,21.98 26.41,22.39 29.38,22.39 29.84,22.85 29.84,24
  Bottom w0.2: U1.37 108.13,10.65 103.46,10.65 102.27,11.84 U2#2.37 ; U1#2.37 25.53,10.65 20.86,10.65 19.67,11.84 U2.37
Net-(U1A-Pin_6-Pad6): length 70.6
  Top w0.1: U2#2.6 100.9,21.48 103.15,21.48 103.33,21.66 104.78,21.66 104.78,21.66 106.19,21.66 106.63,22.1 110.27,22.1 111.18,23 111.18,24 ; 28.57,24 28.57,23 27.67,22.1 24.03,22.1 23.59,21.66 22.18,21.66 22.18,21.66 20.73,21.66 20.55,21.48 18.29,21.48 17.13,20.32
  Top w0.2: U2#2.6 98.46,16.5 98.46,11.3 99.49,10.27 107.24,10.27 U1.6 ; U1#2.6 24.64,10.27 16.89,10.27 15.86,11.3 15.86,16.51 17.13,17.78
Net-(U1A-Pin_6-Pad38): length 60.8
  Bottom w0.1: U2#2.38 103.54,16.5 103.54,20.95 104,21.42 106.41,21.42 106.77,21.78 108.75,21.78 109.17,22.19 113.05,22.19 113.72,22.85 113.72,24 ; U2.38 20.94,16.51 20.94,20.96 21.4,21.42 23.81,21.42 24.17,21.78 26.15,21.78 26.57,22.19 30.45,22.19 31.11,22.85 31.11,24
  Bottom w0.2: U1#2.38 26.4,11.05 22.97,11.05 22.21,11.81 U2.38 ; U2#2.38 104.81,11.81 105.57,11.05 109,11.05 U1.38
Net-(U1A-Pin_7-Pad7): length 65.3
  Top w0.1: 29.84,24 29.84,23.13 29.32,22.61 28.56,22.61 27.85,21.9 24.22,21.9 23.78,21.46 20.82,21.46 19.67,20.32 ; U2#2.7 103.42,21.46 106.38,21.46 106.82,21.9 110.45,21.9 111.16,22.61 111.92,22.61 112.45,23.13 112.45,24
  Top w0.2: 19.67,17.78 18.4,16.51 18.4,11.43 19.16,10.67 23.41,10.67 23.41,10.67 25.51,10.67 U1#2.7 ; 102.27,17.78 101,16.51 101,11.43 101.76,10.67 106.01,10.67 106.01,10.67 108.11,10.67 U1.7
Net-(U1A-Pin_7-Pad39): length 55.2
  Bottom w0.1: 32.38,24 32.38,23.13 32.11,22.86 31.48,22.86 30.61,21.99 26.71,21.99 26.3,21.58 24.25,21.58 23.48,20.8 23.48,16.51 U2.39 ; 114.99,24 114.99,23.13 114.71,22.86 114.08,22.86 113.21,21.99 109.31,21.99 108.9,21.58 106.85,21.58 106.08,20.8 106.08,16.5 U2#2.39
  Bottom w0.2: U2.39 24.75,11.81 25.1,11.46 27.26,11.46 U1#2.39 ; U1.39 109.86,11.46 107.7,11.46 107.35,11.81 U2#2.39
Net-(U1A-Pin_8-Pad8): length 59.9
  Top w0.1: 113.72,24 113.72,23.13 112.94,22.35 111.26,22.35 110.61,21.7 107.02,21.7 106.59,21.26 105.75,21.26 U2#2.8 ; 31.11,24 31.11,23.13 30.34,22.35 28.66,22.35 28,21.7 24.42,21.7 23.99,21.26 23.15,21.26 22.21,20.32
  Top w0.2: U1.8 109.8,10.25 109.09,10.25 108.28,11.07 106.26,11.07 106.25,11.07 104.15,11.07 103.54,11.68 103.54,16.51 104.81,17.78 ; U1#2.8 27.2,10.25 26.49,10.25 25.67,11.07 23.65,11.07 23.65,11.07 21.55,11.07 20.94,11.68 20.94,16.51 22.21,17.78
Net-(U1A-Pin_8-Pad40): length 49.7
  Bottom w0.1: 116.26,24 116.26,22.85 115.93,22.53 114.26,22.53 113.53,21.79 109.41,21.79 108.62,21.01 108.62,16.5 U2#2.40 ; 33.65,24 33.65,22.85 33.33,22.53 31.66,22.53 30.93,21.79 26.8,21.79 26.02,21.01 26.02,16.51 U2.40
  Bottom w0.2: U1#2.40 27.29,12.7 ; U1.40 109.89,12.7
Net-(U1A-Pin_9-Pad9): length 54.7
  Top w0.1: U2#2.9 108.53,21.5 110.81,21.5 111.41,22.1 113.97,22.1 114.99,23.11 114.99,24 ; 24.75,20.32 25.93,21.5 28.21,21.5 28.81,22.1 31.37,22.1 32.38,23.11 32.38,24
  Top w0.2: 24.75,17.78 23.48,16.51 23.48,11.81 23.82,11.47 25.84,11.47 26.53,10.78 27.94,10.78 U1#2.9 ; U1.9 110.54,10.78 109.13,10.78 108.44,11.47 106.42,11.47 106.08,11.81 106.08,16.51 107.35,17.78
Net-(U1A-Pin_9-Pad41): length 45.8
  Bottom w0.1: U2.41 28.56,16.51 28.56,21.01 29.14,21.59 31.22,21.59 31.86,22.23 34.02,22.23 34.92,23.13 34.92,24 ; U2#2.41 111.16,16.5 111.16,21.01 111.74,21.59 113.83,21.59 114.46,22.22 116.62,22.22 117.53,23.13 117.53,24
  Bottom w0.2: U1#2.41 29.83,11.43 29.83,12.71 ; U1.41 112.43,11.43 112.43,12.7
Net-(U1A-Pin_10-Pad10): length 49.4
  Top w0.1: U2#2.10 110.01,20.31 111.54,21.84 114.97,21.84 116.26,23.13 116.26,24 ; 27.29,20.32 27.41,20.32 28.94,21.84 32.37,21.84 33.65,23.13 33.65,24
  Top w0.2: U1.10 112.43,10.16 112.05,10.16 111.01,11.19 109.36,11.19 108.62,11.94 108.62,16.5 U2#2.10 ; U1#2.10 29.83,10.16 29.45,10.16 28.41,11.2 26.76,11.2 26.02,11.94 26.02,16.51 27.29,17.78
Net-(U1A-Pin_10-Pad42): length 42.1
  Bottom w0.1: 118.8,24 118.8,23.16 117.53,21.89 114.6,21.89 113.7,21 113.7,16.5 U2#2.42 ; 36.19,24 36.19,23.16 34.93,21.89 32,21.89 31.1,21 31.1,16.51 U2.42
  Bottom w0.2: U1.42 114.97,10.16 114.97,12.7 ; 32.37,12.7 32.37,10.16 U1#2.42
Net-(U1A-Pin_11-Pad11): length 44
  Top w0.1: 34.92,24 34.92,23.51 33,21.59 31.1,21.59 29.83,20.32 ; U2#2.11 113.7,21.59 115.6,21.59 117.53,23.51 117.53,24
  Top w0.2: U1#2.11 30.08,11.18 29.19,11.18 28.56,11.81 28.56,16.5 29.83,17.77 ; U1.11 112.68,11.18 111.79,11.18 111.16,11.81 111.16,16.5 112.43,17.77
Net-(U1A-Pin_11-Pad43): length 38.6
  Bottom w0.1: U2.43 33.64,16.51 33.64,21.08 34.15,21.59 35.92,21.59 37.46,23.13 37.46,24 ; U2#2.43 116.24,16.5 116.24,21.08 116.75,21.59 118.52,21.59 120.07,23.13 120.07,24
  Bottom w0.2: 34.91,12.7 34.91,8.89 U1#2.43 ; 117.51,12.7 117.51,8.89 U1.43
Net-(U1A-Pin_12-Pad12): length 39.5
  Top w0.1: 32.37,20.32 33.26,21.21 33.26,21.21 33.89,21.84 34.65,21.84 36.19,23.39 36.19,24 ; U2#2.12 115.86,21.21 115.86,21.21 116.49,21.84 117.25,21.84 118.8,23.38 118.8,24
  Top w0.2: U2#2.12 113.7,16.5 113.7,11.43 U1.12 ; 32.37,17.78 31.1,16.51 31.1,11.43 U1#2.12
Net-(U1A-Pin_12-Pad44): length 37.1
  Bottom w0.1: 121.34,24 121.34,23.16 120.78,22.61 120.3,22.61 118.78,21.08 118.78,16.5 U2#2.44 ; 38.73,24 38.73,23.16 38.18,22.61 37.7,22.61 36.18,21.08 36.18,16.51 U2.44
  Bottom w0.2: U1.44 118.78,8.89 118.78,11.43 120.05,12.7 ; U1#2.44 36.18,8.89 36.18,11.43 37.45,12.7
Net-(U1A-Pin_13-Pad13): length 36.6
  Top w0.1: 34.91,20.32 37.46,22.87 37.46,24 ; 120.07,24 120.07,22.87 U2#2.13
  Top w0.2: U1#2.13 33.64,10.16 33.64,16.51 34.91,17.78 ; U1.13 116.24,10.16 116.24,16.5 U2#2.13
Net-(U1A-Pin_13-Pad45): length 34.4
  Bottom w0.1: U2#2.45 121.34,16.48 121.34,21.82 122.61,23.08 122.61,24 ; U2.45 38.74,16.48 38.74,21.82 40,23.08 40,24
  Bottom w0.2: 39.99,12.7 38.7,11.42 38.7,7.63 U1#2.45 ; 122.59,12.7 121.3,11.42 121.3,7.63 U1.45
Net-(U1A-Pin_14-Pad14): length 34.4
  Top w0.1: 38.73,24 38.73,21.61 37.45,20.32 37.45,20.32 ; 121.34,24 121.34,21.61 120.05,20.32 U2#2.14
  Top w0.2: U1.14 118.78,8.89 118.78,16.5 U2#2.14 ; U1#2.14 36.18,8.89 36.18,16.51 37.45,17.78
Net-(U1A-Pin_14-Pad46): length 35.2
  Bottom w0.1: 42.51,24 42.51,23.08 43.77,21.82 43.77,16.48 U2.46 ; 125.11,24 125.11,23.08 126.37,21.82 126.37,16.48 U2#2.46
  Bottom w0.2: U1.46 126.86,8.09 126.86,10.96 125.13,12.7 ; U1#2.46 44.26,8.09 44.26,10.96 42.53,12.7
Net-(U1A-Pin_15-Pad15): length 32.3
  Top w0.1: U2#2.15 122.59,23.99 122.61,24 ; 40,24 39.99,23.99 39.99,20.32
  Top w0.2: U2#2.15 121.32,16.5 121.32,7.62 U1.15 ; U1#2.15 38.72,7.62 38.72,16.51 39.99,17.78
Net-(U1A-Pin_15-Pad47): length 37.1
  Bottom w0.1: U2.47 46.34,16.51 46.34,21.08 44.81,22.61 44.33,22.61 43.78,23.16 43.78,24 ; 126.38,24 126.38,23.16 126.93,22.61 127.41,22.61 128.94,21.08 128.94,16.5 U2#2.47
  Bottom w0.2: 45.07,12.7 46.34,11.43 46.34,8.89 U1#2.47 ; 127.67,12.7 128.94,11.43 128.94,8.89 U1.47
Net-(U1A-Pin_16-Pad16): length 32.3
  Top w0.1: U2#2.16 125.13,23.99 125.11,24 ; 42.51,24 42.53,23.99 42.53,20.32
  Top w0.2: U1.16 126.4,7.62 126.4,16.51 U2#2.16 ; U1#2.16 43.8,7.62 43.8,16.51 U2.16
Net-(U1A-Pin_16-Pad48): length 38.6
  Bottom w0.1: U2.48 48.88,16.51 48.88,21.08 48.37,21.59 46.59,21.59 45.05,23.13 45.05,24 ; U2#2.48 131.48,16.5 131.48,21.08 130.97,21.59 129.19,21.59 127.65,23.13 127.65,24
  Bottom w0.2: U1.48 130.21,8.89 130.21,12.7 ; 47.61,12.7 47.61,8.89 U1#2.48
Net-(U1A-Pin_17-Pad17): length 34.4
  Top w0.1: 126.38,24 126.38,21.61 127.67,20.32 U2#2.17 ; 43.78,24 43.78,21.61 45.07,20.32 45.07,20.32
  Top w0.2: U2#2.17 128.94,16.51 128.94,8.89 U1.17 ; U1#2.17 46.34,8.89 46.34,16.51 U2.17
Net-(U1A-Pin_17-Pad49): length 42.1
  Bottom w0.1: U2.49 51.42,16.51 51.42,21 50.52,21.89 47.58,21.89 46.32,23.16 46.32,24 ; 128.92,24 128.92,23.16 130.18,21.89 133.12,21.89 134.02,21 134.02,16.5 U2#2.49
  Bottom w0.2: 50.15,12.7 50.15,10.16 U1#2.49 ; U1.49 132.75,10.16 132.75,12.7
Net-(U1A-Pin_18-Pad18): length 36.6
  Top w0.1: 127.65,24 127.65,22.87 U2#2.18 ; 47.61,20.32 45.05,22.87 45.05,24
  Top w0.2: U2.18 48.88,16.51 48.88,10.16 U1#2.18 ; U1.18 131.48,10.16 131.48,16.51 U2#2.18
Net-(U1A-Pin_18-Pad50): length 45.8
  Bottom w0.1: U2.50 53.96,16.51 53.96,21.01 53.37,21.59 51.29,21.59 50.66,22.23 48.5,22.23 47.59,23.13 47.59,24 ; U2#2.50 136.56,16.5 136.56,21.01 135.97,21.59 133.89,21.59 133.26,22.23 131.1,22.23 130.19,23.13 130.19,24
  Bottom w0.2: 135.29,12.71 135.29,11.43 U1.50 ; 52.69,12.71 52.69,11.43 U1#2.50
Net-(U1A-Pin_19-Pad19): length 39.5
  Top w0.1: U2#2.19 131.85,21.21 131.85,21.21 131.22,21.84 130.46,21.84 128.92,23.38 128.92,24 ; 46.32,24 46.32,23.39 47.86,21.84 48.62,21.84 49.25,21.21 49.25,21.21 50.15,20.32
  Top w0.2: U2.19 51.42,16.51 51.42,11.43 U1#2.19 ; U2#2.19 134.02,16.51 134.02,11.43 U1.19
Net-(U1A-Pin_19-Pad51): length 49.3
  Bottom w0.1: U2.51 56.5,16.51 56.5,20.73 55.43,21.79 51.59,21.79 50.85,22.53 49.18,22.53 48.86,22.85 48.86,24 ; U2#2.51 139.1,16.5 139.1,20.73 138.03,21.79 134.19,21.79 133.45,22.53 131.78,22.53 131.46,22.85 131.46,24
  Bottom w0.2: U1#2.51 55.23,12.7 ; U1.51 137.83,12.7
Net-(U1A-Pin_20-Pad20): length 44
  Top w0.1: U2#2.20 134.01,21.59 132.11,21.59 130.19,23.51 130.19,24 ; 52.69,20.32 51.41,21.59 49.51,21.59 47.59,23.51 47.59,24
  Top w0.2: 135.29,17.77 136.56,16.5 136.56,11.81 135.92,11.18 135.03,11.18 U1.20 ; U1#2.20 52.43,11.18 53.32,11.18 53.96,11.81 53.96,16.5 52.69,17.77
Net-(U1A-Pin_20-Pad52): length 55.2
  Bottom w0.1: U2.52 59.04,16.51 59.04,20.8 58.25,21.59 55.99,21.59 55.59,21.99 51.9,21.99 51.04,22.86 50.4,22.86 50.13,23.13 50.13,24 ; U2#2.52 141.64,16.5 141.64,20.8 140.85,21.59 138.59,21.59 138.19,21.99 134.5,21.99 133.64,22.86 133,22.86 132.73,23.13 132.73,24
  Bottom w0.2: U2#2.52 140.37,11.81 140.01,11.46 137.85,11.46 U1.52 ; U1#2.52 55.25,11.46 57.41,11.46 57.77,11.81 57.77,12.7
Net-(U1A-Pin_21-Pad21): length 49.4
  Top w0.1: 131.46,24 131.46,23.13 132.75,21.84 136.17,21.84 137.7,20.31 U2#2.21 ; 48.86,24 48.86,23.13 50.15,21.84 53.57,21.84 55.1,20.32 55.23,20.32
  Top w0.2: U2.21 56.5,16.51 56.5,11.94 55.75,11.2 54.1,11.2 53.07,10.16 52.69,10.16 U1#2.21 ; U1.21 135.29,10.16 135.67,10.16 136.7,11.2 138.36,11.2 139.1,11.94 139.1,16.51 U2#2.21
Net-(U1A-Pin_21-Pad53): length 60.8
  Bottom w0.1: U2.53 61.58,16.51 61.58,20.96 61.09,21.44 58.69,21.44 58.33,21.79 56.12,21.79 55.72,22.19 52.06,22.19 51.4,22.85 51.4,24 ; 134,24 134,22.85 134.66,22.19 138.32,22.19 138.72,21.79 140.93,21.79 141.29,21.44 143.7,21.44 144.18,20.95 144.18,16.5 U2#2.53
  Bottom w0.2: U1.53 138.72,11.05 142.15,11.05 142.91,11.81 U2#2.53 ; 60.31,12.7 60.31,11.81 59.55,11.05 56.12,11.05 U1#2.53
Net-(U1A-Pin_22-Pad22): length 54.7
  Top w0.1: 57.77,20.32 56.58,21.5 54.3,21.5 53.7,22.1 51.14,22.1 50.13,23.11 50.13,24 ; U2#2.22 139.19,21.5 136.9,21.5 136.3,22.1 133.74,22.1 132.73,23.11 132.73,24
  Top w0.2: 140.37,17.78 141.64,16.51 141.64,11.81 141.3,11.47 139.27,11.47 138.58,10.78 137.17,10.78 U1.22 ; 57.77,17.78 59.04,16.51 59.04,11.81 58.69,11.47 56.67,11.47 55.98,10.78 54.57,10.78 U1#2.22
Net-(U1A-Pin_22-Pad54): length 65.7
  Bottom w0.1: U2.54 64.12,16.51 64.12,20.83 63.51,21.44 61.38,21.44 61.18,21.64 58.79,21.64 58.44,21.99 56.28,21.99 55.88,22.39 53.13,22.39 52.67,22.85 52.67,24 ; 135.27,24 135.27,22.85 135.73,22.39 138.48,22.39 138.88,21.99 141.04,21.99 141.39,21.64 143.78,21.64 143.98,21.44 146.11,21.44 146.72,20.83 146.72,16.5 U2#2.54
  Bottom w0.2: U2#2.54 145.45,11.84 144.25,10.65 139.59,10.65 U1.54 ; U1#2.54 56.99,10.65 61.65,10.65 62.85,11.84 62.85,12.7
Net-(U1A-Pin_23-Pad23): length 59.9
  Top w0.1: 51.4,24 51.4,23.13 52.18,22.35 53.86,22.35 54.51,21.7 58.09,21.7 58.53,21.26 59.36,21.26 60.31,20.32 ; U2#2.23 141.96,21.26 141.13,21.26 140.69,21.7 137.11,21.7 136.46,22.35 134.78,22.35 134,23.13 134,24
  Top w0.2: 142.91,17.78 144.18,16.51 144.18,11.68 143.57,11.07 141.47,11.07 141.46,11.07 139.44,11.07 138.62,10.25 137.92,10.25 U1.23 ; 60.31,17.78 61.58,16.51 61.58,11.68 60.97,11.07 58.87,11.07 58.86,11.07 56.84,11.07 56.02,10.25 55.32,10.25 U1#2.23
Net-(U1A-Pin_23-Pad55): length 70.5
  Bottom w0.1: 53.94,24 53.94,23.13 54.44,22.63 55.99,22.63 56.43,22.19 58.59,22.19 58.94,21.84 61.31,21.84 61.5,21.64 65.84,21.64 66.66,20.83 66.66,16.51 U2.55 ; U2#2.55 149.26,16.5 149.26,20.83 148.44,21.64 144.11,21.64 143.91,21.84 141.54,21.84 141.19,22.19 139.03,22.19 138.59,22.63 137.04,22.63 136.54,23.13 136.54,24
  Bottom w0.2: 65.39,12.7 65.39,11.78 63.84,10.24 57.84,10.24 U1#2.55 ; U1.55 140.44,10.24 146.44,10.24 147.99,11.78 147.99,12.7
Net-(U1A-Pin_24-Pad24): length 65.3
  Top w0.1: 62.85,20.32 61.7,21.46 58.73,21.46 58.3,21.9 54.67,21.9 53.96,22.61 53.2,22.61 52.67,23.13 52.67,24 ; 135.27,24 135.27,23.13 135.8,22.61 136.56,22.61 137.27,21.9 140.9,21.9 141.33,21.46 144.3,21.46 U2#2.24
  Top w0.2: U1.24 139.61,10.67 141.71,10.67 145.96,10.67 146.72,11.43 146.72,16.51 145.45,17.78 ; 62.85,17.78 64.12,16.51 64.12,11.43 63.36,10.67 59.11,10.67 59.11,10.67 57.01,10.67 U1#2.24
Net-(U1A-Pin_24-Pad56): length 75.9
  Bottom w0.1: U2.56 69.2,16.51 69.2,21.11 68.46,21.85 61.59,21.85 61.39,22.04 59.1,22.04 58.75,22.39 56.62,22.39 56.15,22.86 55.5,22.86 55.21,23.15 55.21,24 ; U2#2.56 151.8,16.5 151.8,21.11 151.06,21.85 144.19,21.85 143.99,22.04 141.7,22.04 141.35,22.39 139.22,22.39 138.75,22.86 138.1,22.86 137.81,23.15 137.81,24
  Bottom w0.2: U1.56 141.33,9.86 148.57,9.86 150.53,11.81 U2#2.56 ; 67.93,12.7 67.93,11.81 65.97,9.86 58.73,9.86 U1#2.56
Net-(U1A-Pin_25-Pad25): length 70.6
  Top w0.1: 53.94,24 53.94,23 54.85,22.1 58.49,22.1 58.92,21.66 60.34,21.66 60.34,21.66 61.78,21.66 61.96,21.48 64.22,21.48 65.39,20.32 ; 136.54,24 136.54,23 137.45,22.1 141.09,22.1 141.52,21.66 142.94,21.66 142.94,21.66 144.38,21.66 144.56,21.48 146.82,21.48 U2#2.25
  Top w0.2: U2.25 66.66,16.51 66.66,11.3 65.62,10.27 57.88,10.27 U1#2.25 ; U2#2.25 149.26,16.51 149.26,11.3 148.22,10.27 140.48,10.27 U1.25
Net-(U1A-Pin_25-Pad57): length 81
  Bottom w0.1: 56.48,24 56.48,23.13 57.02,22.59 58.9,22.59 59.25,22.24 61.48,22.24 61.67,22.05 70.8,22.05 71.74,21.11 71.74,16.51 U2.57 ; 139.08,24 139.08,23.13 139.62,22.59 141.5,22.59 141.85,22.24 144.08,22.24 144.27,22.05 153.4,22.05 154.34,21.11 154.34,16.5 U2#2.57
  Bottom w0.2: 153.07,12.7 153.07,11.81 150.73,9.47 142.22,9.47 U1.57 ; U1#2.57 59.62,9.47 68.13,9.47 70.47,11.81 70.47,12.7
Net-(U1A-Pin_26-Pad26): length 76.3
  Top w0.1: U2#2.26 149.16,21.68 144.65,21.68 144.47,21.86 143.02,21.86 143.02,21.86 141.73,21.86 141.3,22.3 138.64,22.3 137.81,23.13 137.81,24 ; 55.21,24 55.21,23.13 56.04,22.3 58.69,22.3 59.13,21.86 60.42,21.86 60.42,21.86 61.86,21.86 62.05,21.68 66.56,21.68 67.93,20.32
  Top w0.2: U1.26 141.35,9.87 151,9.87 151.8,10.67 151.8,16.51 150.53,17.78 ; 67.93,17.78 69.2,16.51 69.2,10.67 68.4,9.87 58.75,9.87 U1#2.26
Net-(U1A-Pin_26-Pad58): length 86.8
  Bottom w0.1: U2.58 74.28,16.51 74.28,21.06 73.09,22.25 61.75,22.25 61.56,22.44 59.41,22.44 59.06,22.79 57.81,22.79 57.75,22.85 57.75,24 ; U2#2.58 156.88,16.5 156.88,21.06 155.69,22.25 144.35,22.25 144.16,22.44 142.01,22.44 141.66,22.79 140.41,22.79 140.35,22.85 140.35,24
  Bottom w0.2: U1#2.58 57.77,6.73 60.13,9.09 70.29,9.09 73.01,11.81 73.01,12.7 ; 155.61,12.7 155.61,11.81 152.89,9.09 142.73,9.09 140.37,6.73 U1.58
Net-(U1A-Pin_27-Pad27): length 82
  Top w0.1: 139.08,24 139.08,23.13 139.61,22.61 141.4,22.61 141.94,22.06 143.1,22.06 143.1,22.06 144.55,22.06 144.73,21.88 151.5,21.88 U2#2.27 ; 56.48,24 56.48,23.13 57.01,22.61 58.8,22.61 59.34,22.06 60.5,22.06 60.5,22.06 61.95,22.06 62.13,21.88 68.9,21.88 70.47,20.32
  Top w0.2: U2#2.27 154.34,16.51 154.34,10.16 153.65,9.47 142.22,9.47 U1.27 ; U2.27 71.74,16.51 71.74,10.16 71.05,9.47 59.62,9.47 U1#2.27
Net-(U1A-Pin_27-Pad59): length 92.1
  Bottom w0.1: 59.02,24 59.02,23.18 59.56,22.64 61.64,22.64 61.83,22.45 75.55,22.45 76.82,21.18 76.82,16.51 U2.59 ; U2#2.59 159.42,16.5 159.42,21.18 158.15,22.45 144.43,22.45 144.24,22.64 142.17,22.64 141.62,23.18 141.62,24
  Bottom w0.2: U1.59 141.64,7.11 143.26,8.74 155.07,8.74 158.15,11.81 158.15,12.71 ; U1#2.59 59.04,7.11 60.66,8.74 72.47,8.74 75.55,11.81 75.55,12.71
Net-(U1A-Pin_28-Pad28): length 87.5
  Top w0.1: U2#2.28 153.84,22.08 144.81,22.08 144.63,22.26 143.19,22.26 143.18,22.26 142.12,22.26 141.53,22.85 140.62,22.85 140.35,23.12 140.35,24 ; 73.01,20.32 71.24,22.08 62.21,22.08 62.03,22.26 60.58,22.26 60.58,22.26 59.52,22.26 58.93,22.85 58.02,22.85 57.75,23.12 57.75,24
  Top w0.2: U1#2.28 57.77,6.73 60.13,9.09 73.21,9.09 74.28,10.16 74.28,16.51 U2.28 ; U1.28 140.37,6.73 142.73,9.09 155.81,9.09 156.88,10.16 156.88,16.51 U2#2.28
Net-(U1A-Pin_28-Pad60): length 97.9
  Bottom w0.1: 60.33,23.96 60.29,24 60.29,23.18 60.63,22.84 61.73,22.84 61.92,22.65 77.79,22.65 79.36,21.08 79.36,16.51 U2.60 ; 142.93,23.96 142.89,24 142.89,23.18 143.24,22.84 144.33,22.84 144.52,22.65 160.39,22.65 161.96,21.08 161.96,16.5 U2#2.60
  Bottom w0.2: 78.09,12.7 78.09,11.81 74.68,8.4 60.96,8.4 60.31,7.75 U1#2.60 ; 160.69,12.7 160.69,11.81 157.28,8.4 143.56,8.4 142.91,7.75 U1.60
Net-(U1A-Pin_29): length 93.1
  Top w0.1: 59.3,22.85 59.69,22.46 60.67,22.46 60.67,22.46 62.11,22.46 62.29,22.28 73.58,22.28 75.55,20.32 ; 59.29,22.86 59.02,23.13 59.02,24 ; 141.62,24 141.62,23.13 141.89,22.86 ; 141.9,22.85 142.29,22.46 143.27,22.46 143.27,22.46 144.71,22.46 144.9,22.28 156.18,22.28 U2#2.29
  Top w0.2: U1#2.29 59.04,7.11 60.66,8.74 75.52,8.74 76.82,10.03 76.82,16.5 75.55,17.77 ; 158.15,17.77 159.42,16.5 159.42,10.03 158.12,8.74 143.26,8.74 141.64,7.11 U1.29
Net-(U1A-Pin_30): length 99
  Top w0.1: 60.29,24 60.29,23.12 60.75,22.66 62.23,22.66 62.41,22.48 75.92,22.48 78.09,20.32 ; U2#2.30 158.52,22.48 145.01,22.48 144.83,22.66 143.35,22.66 142.89,23.12 142.89,24
  Top w0.2: U1.30 142.91,7.75 143.54,8.38 160.34,8.38 161.96,10 161.96,16.51 U2#2.30 ; U1#2.30 60.31,7.75 60.94,8.38 77.74,8.38 79.36,10 79.36,16.51 U2.30
Net-(U1A-Pin_31): length 97.6
  Bottom w0.1: 22.18,23.96 22.13,23.91 22.13,23.14 21.84,22.85 20.8,22.85 20.6,22.65 12.2,22.65 4.57,22.65 3.28,21.35 3.28,16.39 U2.31 ; U2#2.31 85.88,16.39 85.88,21.35 87.17,22.65 94.61,22.65 103.2,22.65 103.4,22.85 104.44,22.85 104.73,23.14 104.73,23.91 104.78,23.96
  Bottom w0.2: 4.43,12.7 4.43,11.81 7.73,8.51 21.45,8.51 22.21,7.75 U1#2.31 ; U1.31 104.81,7.75 104.05,8.51 90.33,8.51 87.03,11.81 87.03,12.7

## Text on the board
Bottom: yes | Fuck
